# Altium PCB m2m v00.PcbDoc (part 2 of 2)
Units mil, origin at the board's own origin, x right, y up, seen from the top; angles counter-clockwise.
Board outline 4340.39 x 2650.03 mil, 2 copper layers (Top Layer, Bottom Layer), stack 66.58 mil thick; 234 components, 166 nets, 735 pads, 220 vias.
Unrouted connection lines stored in the file: 2.
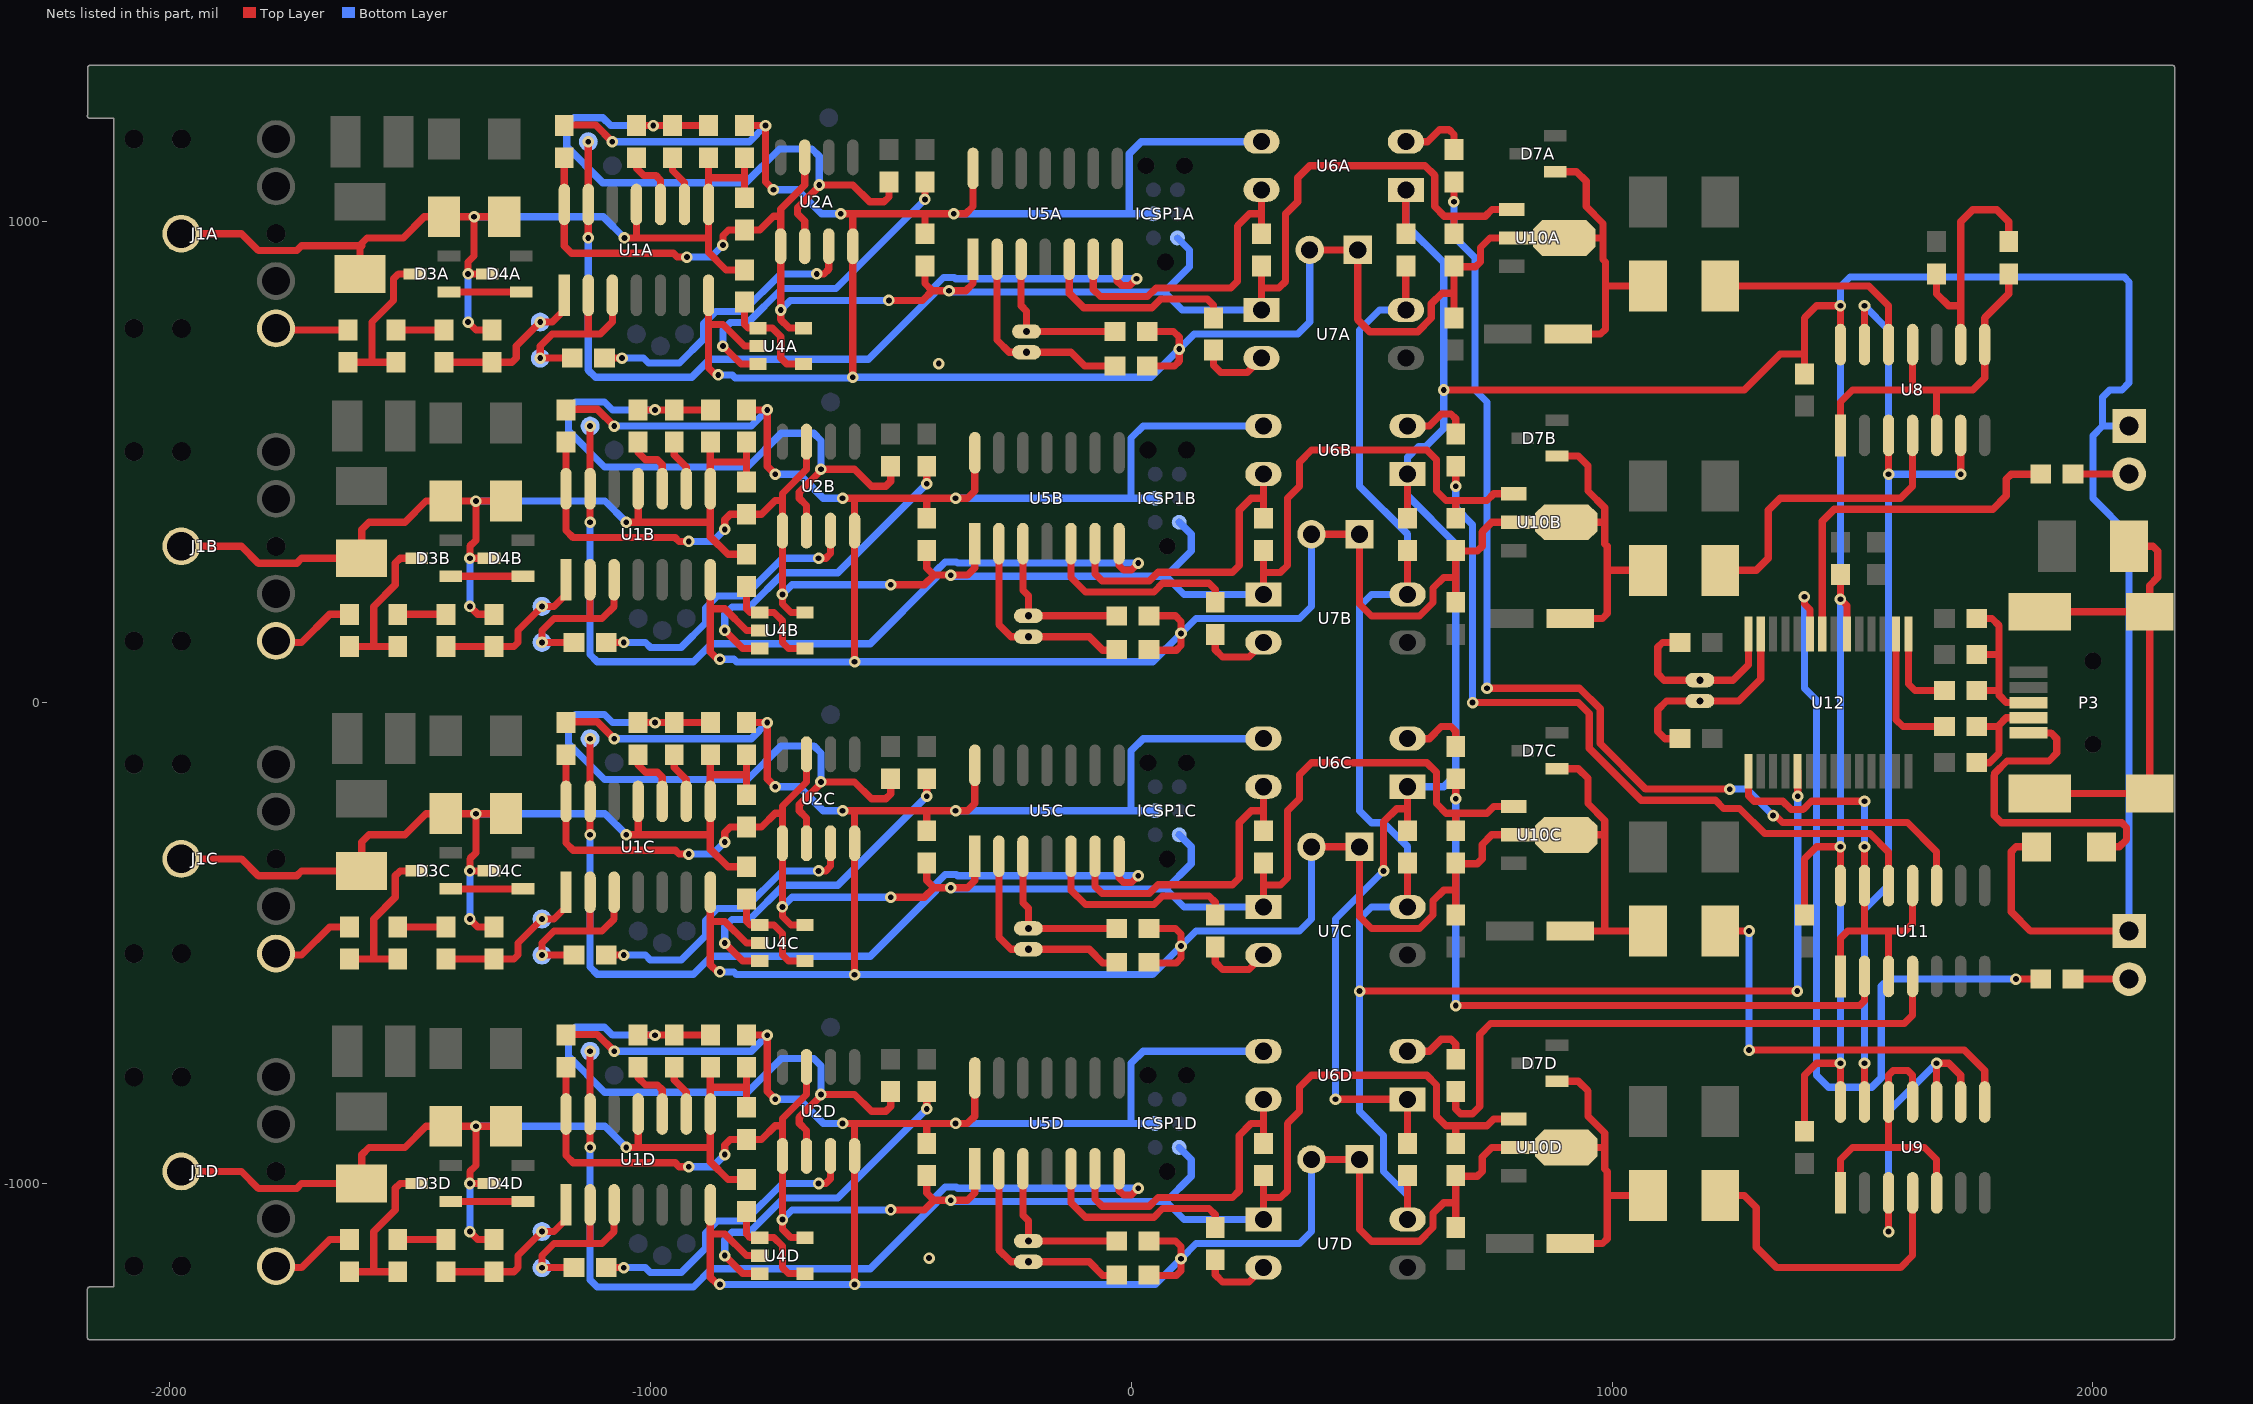
[diagram p2: the nets of this part, all layers, seen from the top]

## Via types
v1: diameter 24, hole 12, Top Layer to Bottom Layer, 220 vias

## Nets (pads, with @x,y where several pads share a name; then routed paths per layer and width w, separated by ;. In a path a pad name is that pad's centre, name@x,y a point inside that pad or via, vN(x,y) a via of type N, cw(c..) or ccw(c..) an arc to the next point about the centre after c; other vN are vias at no path point) (continued)
NetC18_1: C18.1 R23.2 U8.9 | length 519.6
  Top Layer w15: C18.1@1675,891.54 1675,850 1700,825 1725,825 ; U8.9@1725,744.49 1725,825 ; R23.2@1825,958.46 1825,1000 1800,1025 1750,1025 1725,1000 1725,825
NetC24_1: C24.1 U12.28 Y2.2 | length 377.2
  Top Layer w15: C24.1@1141.54,125 1105,125 1095,115 1095,60 1108.35,46.65 1182.68,46.65 1251.65,46.65 1283.66,78.66 U12.28@1283.66,142.72
NetC25_1: C25.1 U12.27 Y2.1 | length 432.1
  Top Layer w15: C25.1@1141.54,-75 1110,-75 1095,-60 1095,-15 1113.35,3.35 1182.68,3.35 1263.35,3.35 1309.25,49.25 U12.27@1309.25,142.72
NetD3A_1: D3A.1 D4A.1 | length 150
  Top Layer w15: D3A.1@-1418.27,853.9 D4A.1@-1268.27,853.9
NetD3A_2: D3A.3 R6A.2 R8A.1 | length 340.8
  Top Layer w15: R6A.2@-1628.7,707.84 -1578.7,707.84 ; R8A.1@-1528.7,707.84 -1578.7,707.84 ; D3A.3@-1489.13,891.3 -1523.7,891.3 -1533.7,881.3 -1533.7,836.3 -1578.7,791.3 -1578.7,707.84
NetD3B_1: D3B.1 D4B.1 | length 150
  Top Layer w15: D3B.1@-1414.57,262.6 D4B.1@-1264.57,262.6
NetD3B_2: D3B.3 R6B.2 R8B.1 | length 340.8
  Top Layer w15: R6B.2@-1625,116.54 -1575,116.54 ; R8B.1@-1525,116.54 -1575,116.54 ; D3B.3@-1485.43,300 -1520,300 -1530,290 -1530,245 -1575,200 -1575,116.54
NetD3C_1: D3C.1 D4C.1 | length 150
  Top Layer w15: D3C.1@-1414.57,-387.4 D4C.1@-1264.57,-387.4
NetD3C_2: D3C.3 R6C.2 R8C.1 | length 340.8
  Top Layer w15: R6C.2@-1625,-533.46 -1575,-533.46 ; R8C.1@-1525,-533.46 -1575,-533.46 ; D3C.3@-1485.43,-350 -1520,-350 -1530,-360 -1530,-405 -1575,-450 -1575,-533.46
NetD3D_1: D3D.1 D4D.1 | length 150
  Top Layer w15: D3D.1@-1414.57,-1037.4 D4D.1@-1264.57,-1037.4
NetD3D_2: D3D.3 R6D.2 R8D.1 | length 340.8
  Top Layer w15: R6D.2@-1625,-1183.46 -1575,-1183.46 ; R8D.1@-1525,-1183.46 -1575,-1183.46 ; D3D.3@-1485.43,-1000 -1520,-1000 -1530,-1010 -1530,-1055 -1575,-1100 -1575,-1183.46
NetD8_2: D8.2 R24.2 | length 116.8
  Top Layer w15: R24.2@1958.52,475.06 D8.2@2075.28,475.06
NetD9_2: D9.2 R27.2 | length 116.8
  Top Layer w15: R27.2@1958.46,-575 1958.52,-574.94 D9.2@2075.28,-574.94
NetF2_1: F2.1 P3.1 | length 698
  Top Layer w15: P3.1@1866.14,-62.99 1912.99,-62.99 1925,-75 1925,-105 1908.74,-121.26 1821.26,-121.26 1795.62,-146.91 1795.62,-151.72 1795,-152.34 1795,-235 1810,-250 2060,-250 2070,-260 2070,-285 2055,-300 F2.1@2017.5,-300
NetL1_1: L1.1 P3.0 | length 1031.8
  Top Layer w15: P3.0@1889.76,-188.98 P3.0@2118.11,-188.98 P3.0@2118.11,188.98 ; P3.0@1889.76,188.98 P3.0@2118.11,188.98 ; L1.1@2075,325 2125,325 2135,315 2135,260.43 2118.11,243.54 P3.0@2118.11,188.98
NetR1A_2: R1A.2 R2A.2 R3A.2 R4A.1 U2A.2 | length 1387
  Top Layer w15: R3A.2@-1028.7,1199.76 v1(-993.7,1199.76) R1A.2@-878.7,1199.76 ; U2A.2@-678.7,948.78 -678.7,1001.3 -693.7,1016.3 -693.7,1028.77 -648.7,1073.77 v1(-648.7,1076.3) -578.7,1076.3 -543.7,1041.3 -513.7,1041.3 -503.7,1051.3 R4A.1@-503.7,1082.84
  Bottom Layer w15: v1(-993.7,1199.76) -1082.16,1199.76 -1098.7,1216.3 -1158.7,1216.3 -1173.7,1201.3 -1173.7,1156.3 -1098.52,1081.11 -801.36,1081.11 -731.17,1151.3 -663.7,1151.3 -648.7,1136.3 v1(-648.7,1076.3)
NetR1B_2: R1B.2 R2B.2 R3B.2 R4B.1 U2B.2 | length 1387
  Top Layer w15: R3B.2@-1025,608.46 v1(-990,608.46) R1B.2@-875,608.46 ; U2B.2@-675,357.48 -675,410 -690,425 -690,437.47 -645,482.47 v1(-645,485) -575,485 -540,450 -510,450 -500,460 R4B.1@-500,491.54
  Bottom Layer w15: v1(-990,608.46) -1078.46,608.46 -1095,625 -1155,625 -1170,610 -1170,565 -1094.81,489.81 -797.66,489.81 -727.47,560 -660,560 -645,545 v1(-645,485)
NetR1C_2: R1C.2 R2C.2 R3C.2 R4C.1 U2C.2 | length 1387
  Top Layer w15: R3C.2@-1025,-41.54 v1(-990,-41.54) R1C.2@-875,-41.54 ; U2C.2@-675,-292.52 -675,-240 -690,-225 -690,-212.53 -645,-167.53 v1(-645,-165) -575,-165 -540,-200 -510,-200 -500,-190 R4C.1@-500,-158.46
  Bottom Layer w15: v1(-990,-41.54) -1078.46,-41.54 -1095,-25 -1155,-25 -1170,-40 -1170,-85 -1094.81,-160.19 -797.66,-160.19 -727.47,-90 -660,-90 -645,-105 v1(-645,-165)
NetR1D_2: R1D.2 R2D.2 R3D.2 R4D.1 U2D.2 | length 1387
  Top Layer w15: R3D.2@-1025,-691.54 v1(-990,-691.54) R2D.2@-950,-691.54 R1D.2@-875,-691.54 ; U2D.2@-675,-942.52 -675,-890 -690,-875 -690,-862.53 -645,-817.53 v1(-645,-815) -575,-815 -540,-850 -510,-850 -500,-840 R4D.1@-500,-808.46
  Bottom Layer w15: v1(-990,-691.54) -1078.46,-691.54 -1095,-675 -1155,-675 -1170,-690 -1170,-735 -1094.81,-810.19 -797.66,-810.19 -727.47,-740 -660,-740 -645,-755 v1(-645,-815)
NetR2A_1: R2A.1 U1A.9 | length 107.4
  Top Layer w15: R2A.1@-953.7,1132.84 -953.7,1106.3 -928.7,1081.3 U1A.9@-928.7,1035.79
NetR2B_1: R2B.1 U1B.9 | length 107.4
  Top Layer w15: R2B.1@-950,541.54 -950,515 -925,490 U1B.9@-925,444.49
NetR2C_1: R2C.1 U1C.9 | length 107.4
  Top Layer w15: R2C.1@-950,-108.46 -950,-135 -925,-160 U1C.9@-925,-205.51
NetR2D_1: R2D.1 U1D.9 | length 107.4
  Top Layer w15: R2D.1@-950,-758.46 -950,-785 -925,-810 U1D.9@-925,-855.51
NetR3A_1: R3A.1 U1A.10 | length 132.4
  Top Layer w15: R3A.1@-1028.7,1132.84 -1028.7,1111.3 -1013.7,1096.3 -988.7,1096.3 -978.7,1086.3 U1A.10@-978.7,1035.79
NetR3B_1: R3B.1 U1B.10 | length 132.4
  Top Layer w15: R3B.1@-1025,541.54 -1025,520 -1010,505 -985,505 -975,495 U1B.10@-975,444.49
NetR3C_1: R3C.1 U1C.10 | length 132.4
  Top Layer w15: R3C.1@-1025,-108.46 -1025,-130 -1010,-145 -985,-145 -975,-155 U1C.10@-975,-205.51
NetR3D_1: R3D.1 U1D.10 | length 132.4
  Top Layer w15: R3D.1@-1025,-758.46 -1025,-780 -1010,-795 -985,-795 -975,-805 U1D.10@-975,-855.51
NetR5A_2: R5A.2 U2A.3 | length 617.5
  Top Layer w15: R5A.2@-1095.24,716.3 v1(-1058.7,716.3) ; v1(-653.7,891.3) -638.7,891.3 -628.7,901.3 U2A.3@-628.7,948.78
  Bottom Layer w15: v1(-1058.7,716.3) -1013.7,716.3 -1003.52,706.11 -939.13,706.11 -888.7,756.54 -888.7,788.06 -863.7,813.06 -806.94,813.06 -728.7,891.3 v1(-653.7,891.3)
NetR5B_2: R5B.2 U2B.3 | length 617.5
  Top Layer w15: R5B.2@-1091.54,125 v1(-1055,125) ; v1(-650,300) -635,300 -625,310 U2B.3@-625,357.48
  Bottom Layer w15: v1(-1055,125) -1010,125 -999.81,114.81 -935.43,114.81 -885,165.24 -885,196.76 -860,221.76 -803.24,221.76 -725,300 v1(-650,300)
NetR5C_2: R5C.2 U2C.3 | length 617.5
  Top Layer w15: R5C.2@-1091.54,-525 v1(-1055,-525) ; v1(-650,-350) -635,-350 -625,-340 U2C.3@-625,-292.52
  Bottom Layer w15: v1(-1055,-525) -1010,-525 -999.81,-535.19 -935.43,-535.19 -885,-484.76 -885,-453.24 -860,-428.24 -803.24,-428.24 -725,-350 v1(-650,-350)
NetR5D_2: R5D.2 U2D.3 | length 617.5
  Top Layer w15: R5D.2@-1091.54,-1175 v1(-1055,-1175) ; v1(-650,-1000) -635,-1000 -625,-990 U2D.3@-625,-942.52
  Bottom Layer w15: v1(-1055,-1175) -1010,-1175 -999.81,-1185.19 -935.43,-1185.19 -885,-1134.76 -885,-1103.24 -860,-1078.24 -803.24,-1078.24 -725,-1000 v1(-650,-1000)
NetR8A_2: R8A.2 R9A.1 | length 100
  Top Layer w15: R8A.2@-1528.7,774.76 R9A.1@-1428.7,774.76
NetR8B_2: R8B.2 R9B.1 | length 100
  Top Layer w15: R8B.2@-1525,183.46 R9B.1@-1425,183.46
NetR8C_2: R8C.2 R9C.1 | length 100
  Top Layer w15: R8C.2@-1525,-466.54 R9C.1@-1425,-466.54
NetR8D_2: R8D.2 R9D.1 | length 100
  Top Layer w15: R8D.2@-1525,-1116.54 R9D.1@-1425,-1116.54
NetR18A_1: R18A.1 U4A.1 U4A.4 | length 229.3
  Top Layer w15: R18A.1@-803.7,832.84 -803.7,786.3 -796.1,778.7 -746.1,778.7 -728.7,761.3 -728.7,716.3 -716.3,703.9 U4A.4@-681.46,703.9
NetR18B_1: R18B.1 U4B.1 U4B.4 | length 229.3
  Top Layer w15: R18B.1@-800,241.54 -800,195 -792.4,187.4 -742.4,187.4 -725,170 -725,125 -712.6,112.6 U4B.4@-677.76,112.6
NetR18C_1: R18C.1 U4C.1 U4C.4 | length 229.3
  Top Layer w15: R18C.1@-800,-408.46 -800,-455 -792.4,-462.6 -742.4,-462.6 -725,-480 -725,-525 -712.6,-537.4 U4C.4@-677.76,-537.4
NetR18D_1: R18D.1 U4D.1 U4D.4 | length 229.3
  Top Layer w15: R18D.1@-800,-1058.46 -800,-1105 -792.4,-1112.6 U4D.1@-772.24,-1112.6 -742.4,-1112.6 -725,-1130 -725,-1175 -712.6,-1187.4 U4D.4@-677.76,-1187.4
NetR20A_2: R20A.2 U6A.2 | length 146
  Top Layer w15: U6A.2@571.3,1166.3 616.3,1166.3 641.3,1191.3 661.3,1191.3 671.3,1181.3 R20A.2@671.3,1149.76
NetR20B_2: R20B.2 U6B.2 | length 146
  Top Layer w15: U6B.2@575,575 620,575 645,600 665,600 675,590 R20B.2@675,558.46
NetR20C_2: R20C.2 U6C.2 | length 146
  Top Layer w15: U6C.2@575,-75 620,-75 645,-50 665,-50 675,-60 R20C.2@675,-91.54
NetR20D_2: R20D.2 U6D.2 | length 146
  Top Layer w15: U6D.2@575,-725 620,-725 645,-700 665,-700 675,-710 R20D.2@675,-741.54
NetR22A_1: R22A.1 U7A.2 | length 150.2
  Top Layer w15: R22A.1@171.3,732.84 171.3,701.3 186.3,686.3 241.3,686.3 U7A.2@271.3,716.3
NetR22B_1: R22B.1 U7B.2 | length 150.2
  Top Layer w15: R22B.1@175,141.54 175,110 190,95 245,95 U7B.2@275,125
NetR22C_1: R22C.1 U7C.2 | length 150.2
  Top Layer w15: R22C.1@175,-508.46 175,-540 190,-555 245,-555 U7C.2@275,-525
NetR22D_1: R22D.1 U7D.2 | length 150.2
  Top Layer w15: R22D.1@175,-1158.46 175,-1190 190,-1205 245,-1205 U7D.2@275,-1175
NetR23_1: R23.1 U8.1 U8.5 U8.8 U8.11 | length 816.4
  Top Layer w15: U8.1@1475,555.51 1475,625 1500,650 1625,650 ; U8.11@1625,744.49 1625,650 ; U8.5@1675,555.51 1675,650 ; R23.1@1825,891.54 1825,850 1775,800 U8.8@1775,744.49 1775,675 1750,650 1675,650 ; 1625,650 1675,650
NetR25_2: R25.2 U12.16 | length 285.2
  Top Layer w15: U12.16@1590.74,142.72 1590.74,-35.74 1605,-50 R25.2@1691.54,-50
NetR26_2: R26.2 U12.15 | length 184.9
  Top Layer w15: U12.15@1616.33,142.72 1616.33,38.67 1630,25 R26.2@1691.54,25
NetU8_3: U8.3 U8.6 U8.13 U9.13 | length 2088.5
  Top Layer w15: U9.13@1525,-830.51 v1(1525,-750) ; U8.13@1525,744.49 v1(1525,825) ; v1(1575,475) U8.3@1575,555.51 ; v1(1725,475) U8.6@1725,555.51
  Bottom Layer w15: v1(1525,-750) 1525,-430 1575,-380 v1(1575,475) ; v1(1525,825) 1575,775 v1(1575,475) ; v1(1725,475) v1(1575,475)
NetU9_1: U9.1 U9.5 U9.11 U9.12 | length 623.5
  Top Layer w15: U9.1@1475,-1019.49 1475,-950 1500,-925 1575,-925 ; U9.11@1625,-830.51 1625,-775 1615,-765 1585,-765 1575,-775 U9.12@1575,-830.51 1575,-925 ; U9.5@1675,-1019.49 1675,-950 1650,-925 1575,-925
NetU9_3: U9.3 U9.9 U9.10 | length 668.3
  Top Layer w15: v1(1575,-1100) U9.3@1575,-1019.49 ; U9.10@1675,-830.51 v1(1675,-750) 1700,-750 1725,-775 U9.9@1725,-830.51
  Bottom Layer w15: v1(1575,-1100) 1575,-850 v1(1675,-750)
OSC1A: C17A.1 U5A.2 Y1A.2 | length 435.1
  Top Layer w15: U5A.2@-278.7,921.81 -278.7,753.7 -253.35,728.35 Y1A.2@-217.32,728.35 ; Y1A.2@-216.54,729.13 -215.75,728.35 -125,728.35 -96.65,700 C17A.1@-33.46,700
OSC1B: C17B.1 U5B.2 Y1B.2 | length 414.4
  Top Layer w15: U5B.2@-275,330.51 -275,162.4 -249.65,137.05 Y1B.2@-213.62,137.05 ; Y1B.2@-212.83,137.83 -212.05,137.05 -87.15,137.05 -58.8,108.7 C17B.1@-50.53,108.7
OSC1C: C17C.1 U5C.2 Y1C.2 | length 414.4
  Top Layer w15: U5C.2@-275,-319.49 -275,-487.6 -249.65,-512.95 Y1C.2@-213.62,-512.95 ; Y1C.2@-212.83,-512.17 -212.05,-512.95 -87.15,-512.95 -58.8,-541.3 C17C.1@-50.53,-541.3
OSC1D: C17D.1 U5D.2 Y1D.2 | length 435.1
  Top Layer w15: U5D.2@-275,-969.49 -275,-1137.6 -249.65,-1162.95 Y1D.2@-213.62,-1162.95 ; Y1D.2@-212.83,-1162.17 -212.05,-1162.95 -87.15,-1162.95 -58.8,-1191.3 C17D.1@-29.76,-1191.3
OSC2A: C16A.1 U5A.3 Y1A.1 | length 333.2
  Top Layer w15: U5A.3@-228.7,916.3 -228.7,825 -217.32,813.62 Y1A.1@-217.32,771.65 C16A.1@-33.46,771.65
OSC2B: C16B.1 U5B.3 Y1B.1 | length 333.2
  Top Layer w15: U5B.3@-225,325 -225,233.7 -213.62,222.32 Y1B.1@-213.62,180.35 C16B.1@-29.76,180.35
OSC2C: C16C.1 U5C.3 Y1C.1 | length 333.2
  Top Layer w15: U5C.3@-225,-325 -225,-416.3 -213.62,-427.68 Y1C.1@-213.62,-469.65 C16C.1@-29.76,-469.65
OSC2D: C16D.1 U5D.3 Y1D.1 | length 333.2
  Top Layer w15: U5D.3@-225,-975 -225,-1066.3 -213.62,-1077.68 Y1D.1@-213.62,-1119.65 C16D.1@-29.76,-1119.65
RX_TTLA: R19A.2 U5A.6 U6A.4 | length 643.5
  Top Layer w15: U5A.6@-78.7,916.3 -78.7,859.17 -63.7,844.17 34.11,844.17 52.25,862.3 207.3,862.3 221.3,876.3 221.3,991.3 246.3,1016.3 271.3,1016.3 ; R19A.2@271.3,974.76 271.3,1016.3 ; U6A.4@271.3,1066.3 271.3,1016.3
RX_TTLB: R19B.2 U5B.6 U6B.4 | length 643.5
  Top Layer w15: U5B.6@-75,325 -75,267.87 -60,252.87 37.82,252.87 55.95,271 211,271 225,285 225,400 250,425 275,425 ; R19B.2@275,383.46 275,425 ; U6B.4@275,475 275,425
RX_TTLC: R19C.2 U5C.6 U6C.4 | length 643.5
  Top Layer w15: U5C.6@-75,-325 -75,-382.13 -60,-397.13 37.82,-397.13 55.95,-379 211,-379 225,-365 225,-250 250,-225 275,-225 ; R19C.2@275,-266.54 275,-225 ; U6C.4@275,-175 275,-225
RX_TTLD: R19D.2 U5D.6 U6D.4 | length 643.5
  Top Layer w15: U5D.6@-75,-975 -75,-1032.13 -60,-1047.13 37.82,-1047.13 55.95,-1029 211,-1029 225,-1015 225,-900 250,-875 275,-875 ; R19D.2@275,-916.54 275,-875 ; U6D.4@275,-825 275,-875
RXLED: R24.1 U12.22 | length 749.8
  Top Layer w15: U12.22@1437.2,142.72 1437.2,377.2 1462,402 1792,402 1820,430 1820,465 1830,475 R24.1@1891.54,475
SAMPLEA: R5A.1 TP6A.1 U1A.2 U1A.3 | length 398.3
  Top Layer w15: R5A.1@-1162.16,716.3 v1(-1228.7,716.3) -1228.7,741.3 -1203.7,766.3 -1128.7,766.3 ; U1A.2@-1128.7,846.81 -1128.7,766.3 ; U1A.3@-1078.7,846.81 -1078.7,791.3 -1103.7,766.3 -1128.7,766.3
SAMPLEB: R5B.1 TP6B.1 U1B.2 U1B.3 | length 398.3
  Top Layer w15: R5B.1@-1158.46,125 v1(-1225,125) -1225,150 -1200,175 -1125,175 ; U1B.2@-1125,255.51 -1125,175 ; U1B.3@-1075,255.51 -1075,200 -1100,175 -1125,175
SAMPLEC: R5C.1 TP6C.1 U1C.2 U1C.3 | length 398.3
  Top Layer w15: R5C.1@-1158.46,-525 v1(-1225,-525) -1225,-500 -1200,-475 -1125,-475 ; U1C.2@-1125,-394.49 -1125,-475 ; U1C.3@-1075,-394.49 -1075,-450 -1100,-475 -1125,-475
SAMPLED: R5D.1 TP6D.1 U1D.2 U1D.3 | length 398.3
  Top Layer w15: R5D.1@-1158.46,-1175 v1(-1225,-1175) -1225,-1150 -1200,-1125 -1125,-1125 ; U1D.2@-1125,-1044.49 -1125,-1125 ; U1D.3@-1075,-1044.49 -1075,-1100 -1100,-1125 -1125,-1125
SINK_1: C14A.1 U8.12 | length 447.6
  Top Layer w15: C14A.1@1225,866.3 1533.7,866.3 1575,825 U8.12@1575,744.49
SINK_2: C14B.1 U8.4 | length 636.6
  Top Layer w15: C14B.1@1225,275 1300,275 1325,300 1325,400 1350,425 1600,425 1625,450 U8.4@1625,555.51
SINK_3: C14C.1 U9.8 | length 878.1
  Top Layer w15: C14C.1@1225,-475 v1(1285,-475) ; v1(1285,-722.5) 1732.5,-722.5 1775,-765 U9.8@1775,-830.51
  Bottom Layer w15: v1@1285,-720 v1(1285,-475)
SINK_4: C14D.1 U9.4 | length 651.3
  Top Layer w15: C14D.1@1225,-1025 1275,-1025 1300,-1050 1300,-1132.53 1342.47,-1175 1600,-1175 1625,-1150 U9.4@1625,-1019.49
TTL_RX: R21A.2 R21B.2 R21C.2 R21D.2 U7A.4 U7B.4 U7C.4 U7D.4 U12.5 | length 4005.4
  Top Layer w15: v1(475,-600) v1(1385,-600) ; U7A.4@571.3,816.3 R21A.2@571.3,907.84 ; U7D.4@575,-1075 R21D.2@575,-983.46 ; U7C.4@575,-425 R21C.2@575,-333.46 ; U7B.4@575,225 R21B.2@575,316.54 ; v1(1386.02,-195) U12.5@1386.02,-142.72
  Bottom Layer w15: U7A.4@571.3,816.3 516.3,816.3 475,775 475,450 575,350 U7B.4@575,225 500,225 475,200 475,-225 500,-250 525,-250 575,-300 U7C.4@575,-425 500,-425 475,-450 v1(475,-600) 475,-850 525,-900 525,-975 575,-1025 U7D.4@575,-1075 ; v1@1386.02,-598.98 v1(1386.02,-195)
TTL_TX: U11.1 U11.3 U11.11 U11.13 U12.1 | length 997.4
  Top Layer w15: U12.1@1283.66,-142.72 1283.66,-193.66 1295,-205 1355,-205 1372.5,-222.5 1397.41,-222.5 1415,-204.91 1415.09,-205 v1(1525,-205) ; U11.1@1475,-569.49 1475,-490 1490,-475 1525,-475 ; v1(1525,-300) U11.13@1525,-380.51 1525,-475 ; U11.3@1575,-569.49 1575,-475 ; U11.11@1625,-380.51 1625,-460 1610,-475 1575,-475 ; 1525,-475 1575,-475
  Bottom Layer w15: v1(1525,-300) v1(1525,-205)
TTL_TX1: R20A.1 U11.10 | length 2277.1
  Top Layer w15: v1(671.3,1041.3) R20A.1@671.3,1082.84 ; v1(740,30) 932.53,30 975.5,-12.97 975.5,-85.32 1070.18,-180 v1(1245,-180) ; v1(1335,-235) 1335,-230 1354.5,-249.5 1614.5,-249.5 1675,-310 U11.10@1675,-380.51
  Bottom Layer w15: v1(671.3,1041.3) 671.3,968.7 715,925 715,650 740,625 v1(740,30) ; v1(1245,-180) 1280,-180 v1(1335,-235)
TTL_TX2: R20B.1 U11.12 | length 1611.7
  Top Layer w15: v1(675,450) R20B.1@675,491.54 ; v1(710,0) 930,0 952.5,-22.5 952.5,-94.85 1060.65,-203 1215,-203 1232,-220 1265,-220 1317.5,-272.5 1536.39,-272.5 1575,-311.11 U11.12@1575,-380.51
  Bottom Layer w15: v1(675,450) 675,405 710,370 v1(710,0)
TTL_TX3: R20C.1 U11.2 | length 1376.2
  Top Layer w15: v1(675,-630) 1515,-630 1525,-620 U11.2@1525,-569.49 ; v1(675,-200) R20C.1@675,-158.46
  Bottom Layer w15: v1(675,-630) v1(675,-200)
TTL_TX4: R20D.1 U11.4 | length 1244
  Top Layer w15: R20D.1@675,-808.46 675,-845 685,-855 710,-855 725,-840 725,-690 747.5,-667.5 1607.5,-667.5 1625,-650 U11.4@1625,-569.49
TX_TTLA: R22A.2 U5A.5 | length 405.5
  Top Layer w15: U5A.5@-128.7,916.3 -128.7,851.17 -98.7,821.17 43.64,821.17 61.77,839.3 158.3,839.3 171.3,826.3 R22A.2@171.3,811.3
TX_TTLB: R22B.2 U5B.5 | length 405.5
  Top Layer w15: U5B.5@-125,325 -125,259.87 -95,229.87 47.34,229.87 65.47,248 162,248 175,235 R22B.2@175,220
TX_TTLC: R22C.2 U5C.5 | length 405.5
  Top Layer w15: U5C.5@-125,-325 -125,-390.13 -95,-420.13 47.34,-420.13 65.47,-402 162,-402 175,-415 R22C.2@175,-430
TX_TTLD: R22D.2 U5D.5 | length 405.5
  Top Layer w15: U5D.5@-125,-975 -125,-1040.13 -95,-1070.13 47.34,-1070.13 65.47,-1052 162,-1052 175,-1065 R22D.2@175,-1080
TXLED: R27.1 U12.23 | length 1768.8
  Top Layer w15: v1(1400,220) 1400,205 1411.61,193.39 U12.23@1411.61,142.72 ; v1(1840,-575) R27.1@1891.54,-575
  Bottom Layer w15: v1(1400,220) 1400,30 1425,5 1425,-775 1450,-800 1540,-800 1560,-780 1560,-590 1575,-575 v1(1840,-575)
USB+: D11.2 P3.3 R26.1 R28.2 | length 361.5